# Altium PCB GridSeed_Rev03.PcbDoc (part 4 of 5)
Units mm, origin at the board's own origin, x right, y up, seen from the top; angles counter-clockwise.
Board outline 91 x 132.3 mm, 4 copper layers (L1, L2, L3, L4), stack 1.577 mm thick; 522 components, 141 nets, 2177 pads, 2361 vias.
Unrouted connection lines stored in the file: 44.
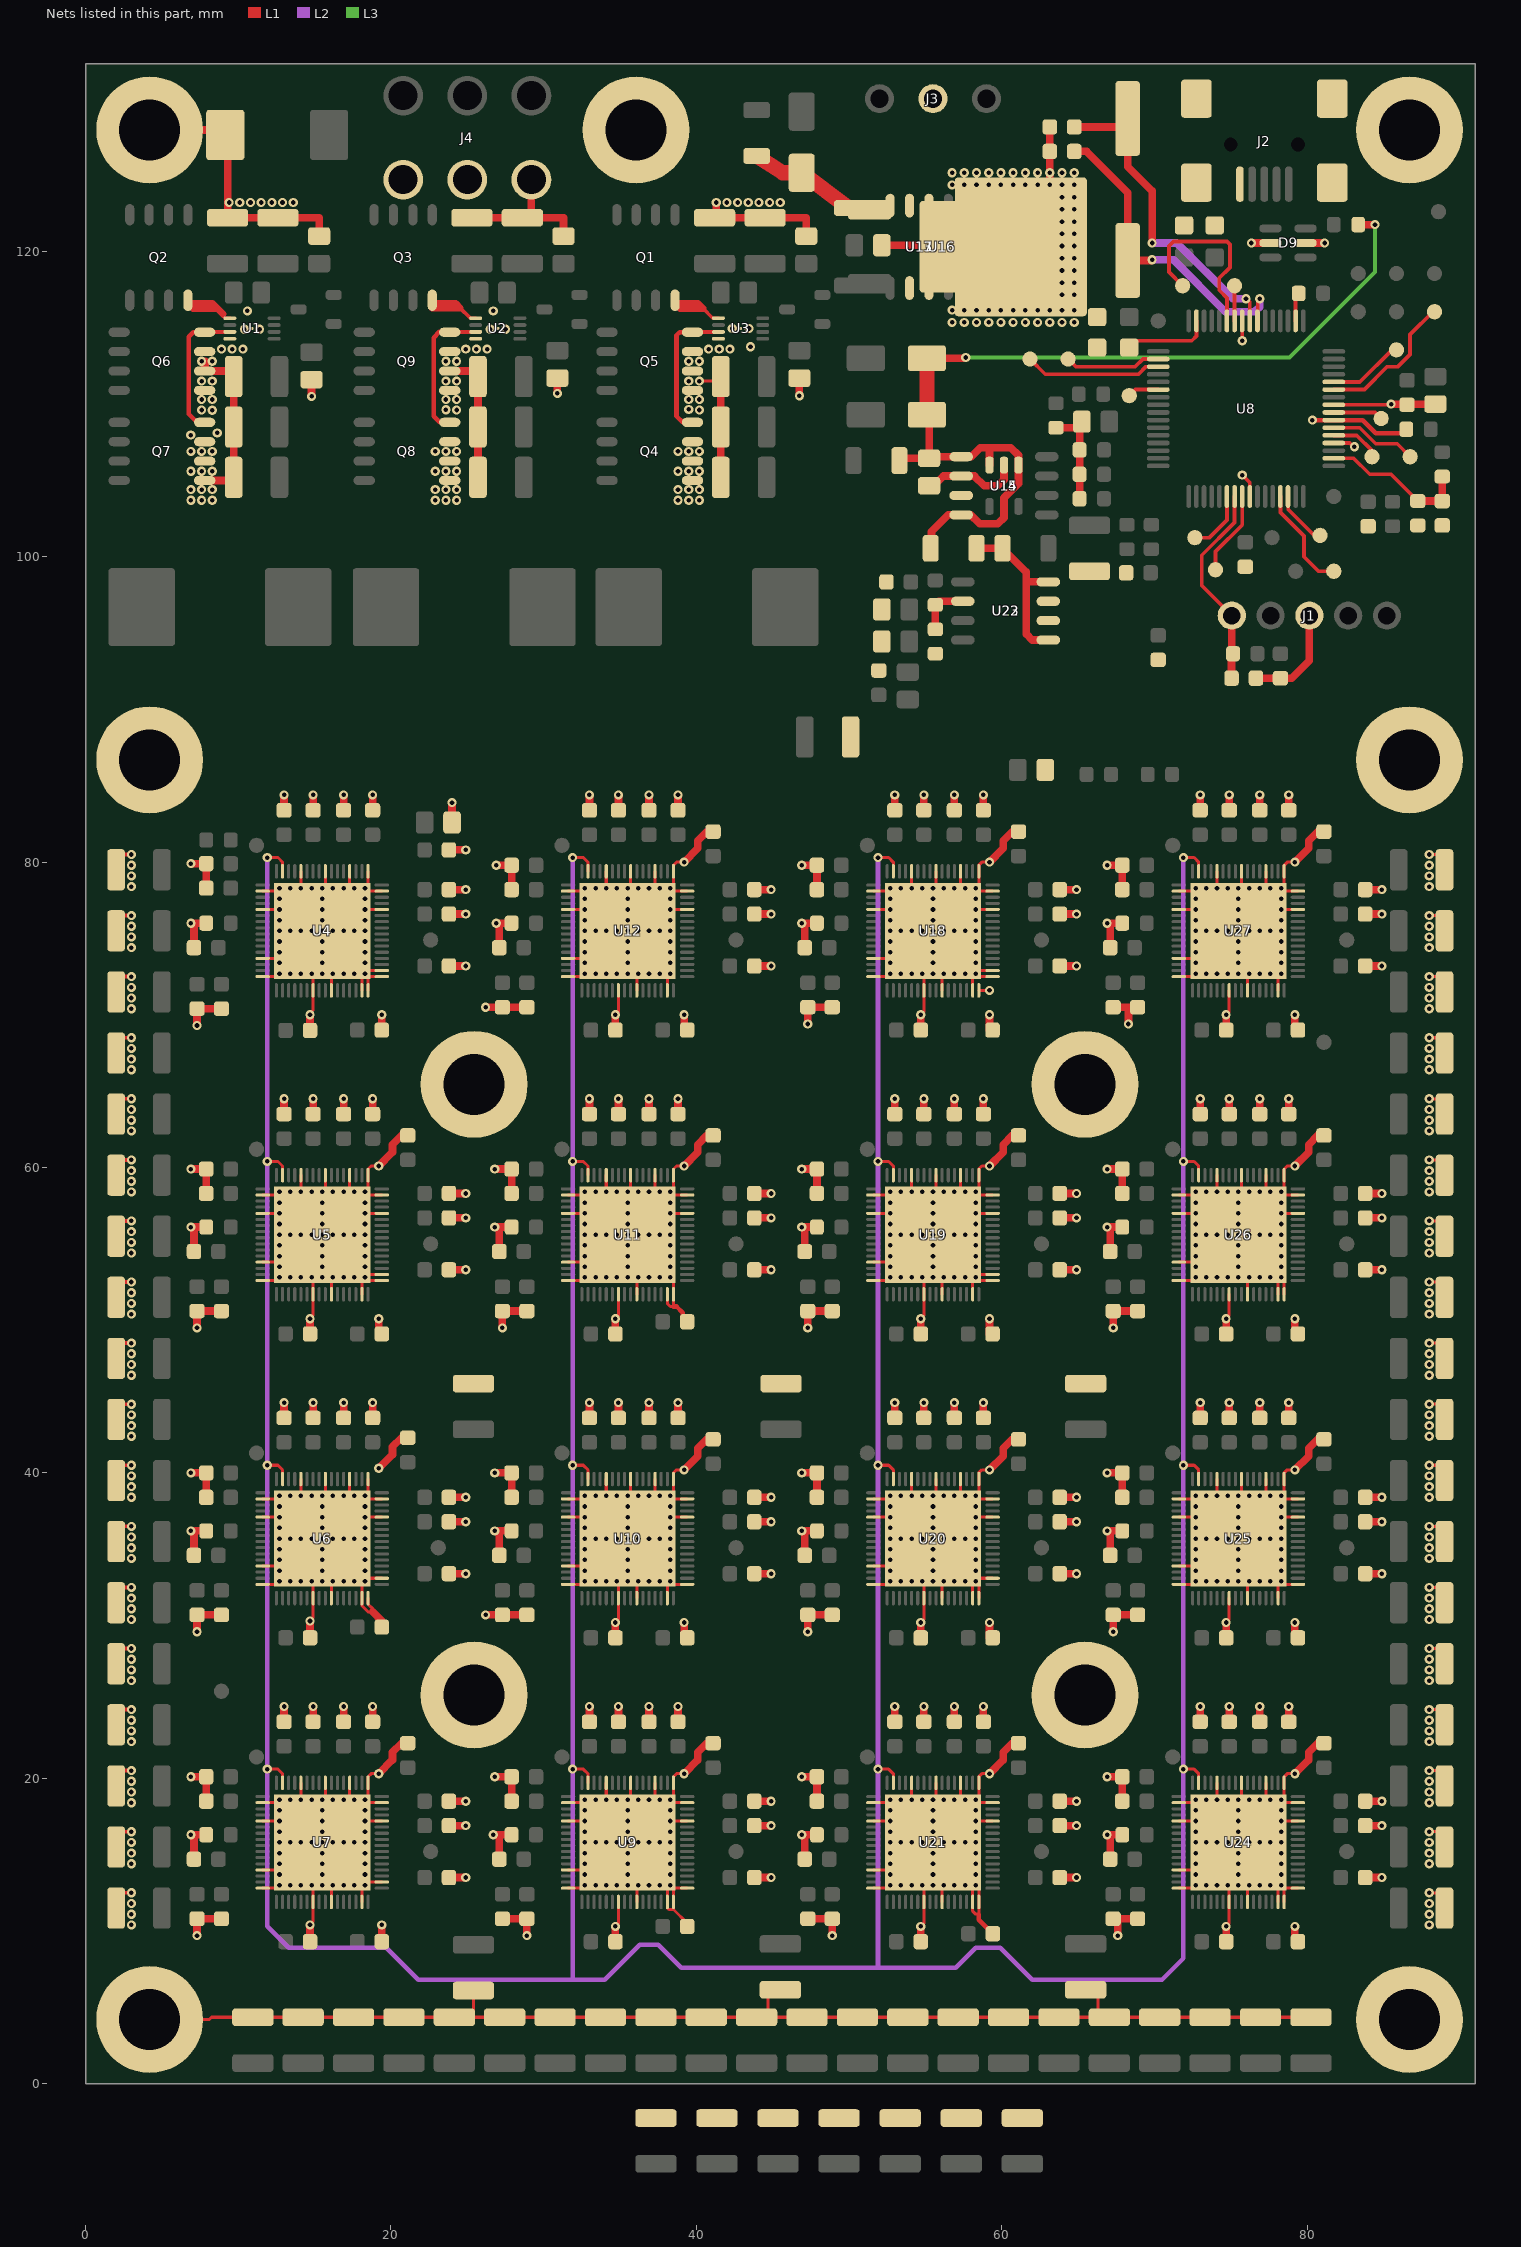
[diagram p6: the nets of this part, all layers, seen from the top]

## Via types
v1: diameter 0.6/0.6/0.6/0.6 (per signal layer), hole 0.3, L1 to L4, 2361 vias

## Nets (pads, with @x,y where several pads share a name; then routed paths per layer and width w, separated by ;. In a path a pad name is that pad's centre, name@x,y a point inside that pad or via, vN(x,y) a via of type N, cw(c..) or ccw(c..) an arc to the next point about the centre after c; other vN are vias at no path point) (continued)
GND: C1.1 C2.1 C3.1 C4.2 C5.2 C6.2 C10.1 C11.1 C12.1 C13.1 C14.1 C15.1 C16.1 C17.1 C18.1 C19.1 C20.2 C21.2 C22.1 C23.1 C24.1 C25.1 C26.1 C27.1 C28.1 C29.1 C30.1 C31.1 C32.1 C33.1 C34.1 C35.1 C36.1 C37.1 C38.1 C39.1 C40.1 C41.1 C42.1 C43.1 C44.1 C45.1 C46.1 C47.1 C48.1 C49.1 C50.1 C51.1 C52.1 C53.1 C54.1 C55.1 C56.1 C57.1 C58.1 C59.1 C60.1 C61.1 C62.1 C63.1 C64.1 C65.1 C66.1 C67.1 C68.1 C69.2 C70.1 C71.1 C72.1 C73.1 C74.1 C75.1 C76.1 C77.1 C78.1 C79.1 C80.1 C81.1 C82.1 C83.1 C84.1 C85.1 C118.1 C119.1 C120.1 C121.1 C122.1 C123.1 C124.1 C125.1 C126.1 C127.1 C128.1 C129.1 C130.1 C131.1 C132.1 C133.1 C134.1 C135.1 C136.1 C137.1 C138.2 C139.2 C140.1 C141.1 C142.1 C143.1 C144.1 C145.1 C146.1 C147.1 C148.1 C149.1 C150.1 C151.1 C152.1 C153.1 C154.1 C155.1 C156.1 C157.1 C158.1 C159.1 C160.1 C161.1 C162.1 C163.1 C166.2 C167.2 C168.2 C169.2 C170.2 C171.2 C172.2 C173.2 C174.2 C175.1 C176.1 C177.1 C178.1 C179.1 C180.1 C181.1 C182.1 C183.1 C184.1 C185.1 C186.1 C187.1 C188.1 C189.1 C190.1 C191.2 C224.1 C225.2 C226.2 C227.1 C228.1 C229.1 C230.1 C231.1 C232.1 C233.1 C234.1 C235.1 C236.1 C237.1 C238.1 C239.1 C240.1 C241.1 C242.1 C243.1 C244.1 C245.1 C246.1 C247.1 C248.1 C249.1 C250.1 C251.1 C252.1 C253.1 C254.1 C255.1 C256.1 C257.1 C258.1 C259.2 C260.2 C261.2 C262.1 C263.1 C264.1 C265.1 C266.1 C267.1 C268.1 C269.1 C270.1 C271.1 C272.1 C273.1 C274.2 C275.2 C276.1 C277.1 C278.1 C279.1 C280.1 C281.1 C282.1 C283.1 C284.1 C285.1 C286.1 C287.1 C288.1 C289.1 C290.1 C291.1 C324.1 C325.1 C326.1 C327.1 C328.1 C329.1 C330.1 C331.1 C332.1 C333.1 C334.1 C335.1 C336.1 C337.1 C338.1 C339.1 C340.1 C341.1 C342.1 C343.1 C344.1 C345.1 C346.1 C347.1 C348.1 C349.1 C350.1 C351.1 C352.1 C353.1 C354.1 C355.1 C356.1 C357.1 C358.1 C359.1 C360.1 C361.1 C362.1 C363.1 C364.1 C365.1 C366.1 C367.1 C368.1 C369.1 C370.1 C371.1 C372.1 C373.1 C374.1 C375.1 C376.1 C377.1 C378.1 C379.1 C380.1 C381.1 C382.1 C383.1 C_1.2 C_2.2 C_3.2 C_4.2 C_5.2 C_6.2 C_7.2 C_8.2 C_9.2 C_10.2 C_11.2 C_12.2 C_13.2 C_14.2 C_15.2 C_16.2 C_17.2 C_18.2 C_19.2 C_20.2 C_21.2 C_22.2 C_23.2 C_24.2 C_25.2 C_26.2 C_27.2 C_28.2 C_29.2 C_30.2 C_31.2 C_32.2 C_33.2 C_34.2 C_35.2 C_36.2 C_37.2 C_38.2 C_39.2 C_40.2 C_41.2 C_42.2 C_43.2 C_44.2 C_45.2 C_46.2 C_47.2 C_48.2 C_49.2 C_50.2 C_51.2 C_52.2 C_53.2 C_54.2 C_55.2 C_56.2 C_57.2 C_58.2 C_59.2 C_60.2 C_61.2 C_62.2 C_63.2 C_64.2 C_65.2 C_66.2 C_67.2 C_68.2 C_69.2 C_70.2 C_71.2 C_72.2 D4.1 D5.1 D6.1 D7.1 D9.2 D9.5 D12.2 J1.3 J2.5 J2.6 J2.7 J2.8 J2.9 J3.2 J4.4 J4.5 J4.6 J5.1 J6.1 J7.1 J8.1 J9.1 J10.1 J11.1 J12.1 J13.1 J14.1 J15.1 Q4.1 Q4.2 Q4.3 Q5.1 Q5.2 Q5.3 Q6.1 Q6.2 Q6.3 Q7.1 Q7.2 Q7.3 Q8.1 Q8.2 Q8.3 Q9.1 Q9.2 Q9.3 R1.1 R2.1 R3.1 R4.1 R17.2 R18.1 R19.1 R20.1 R21.2 R22.2 R24.2 R25.1 R30.2 R43.1 R44.1 R45.1 R46.1 R51.2 R55.2 R64.1 R65.1 R66.1 R67.1 U1.4 U1.9 U2.4 U2.9 U3.4 U3.9 U4.7 U4.10 U4.15 U4.16 U4.17 U4.18 U4.28 U4.31 U4.33 U4.36 U4.40 U4.44 U4.50 U4.53 U4.61 U4.64 U4.65 U5.7 U5.10 U5.15 U5.17 U5.18 U5.28 U5.31 U5.33 U5.36 U5.40 U5.44 U5.50 U5.53 U5.61 U5.64 U5.65 U6.7 U6.10 U6.15 U6.16 U6.18 U6.28 U6.31 U6.33 U6.36 U6.40 U6.44 U6.50 U6.53 U6.61 U6.64 U6.65 U7.7 U7.10 U7.15 U7.18 U7.28 U7.31 U7.33 U7.36 U7.40 U7.44 U7.50 U7.53 U7.61 U7.64 U7.65 U8.9 U8.20 U8.25 U8.41 U9.7 U9.10 U9.15 U9.16 U9.17 U9.28 U9.31 U9.33 U9.36 U9.40 U9.44 U9.50 U9.53 U9.61 U9.64 U9.65 U10.7 U10.10 U10.15 U10.17 U10.28 U10.31 U10.33 U10.36 U10.40 U10.44 U10.50 U10.53 U10.61 U10.64 U10.65 U11.7 U11.10 U11.15 U11.16 U11.28 U11.31 U11.33 U11.36 U11.40 U11.44 U11.50 U11.53 U11.61 U11.64 U11.65 U12.7 U12.10 U12.15 U12.28 U12.31 U12.33 U12.36 U12.40 U12.44 U12.50 U12.53 U12.61 U12.64 U12.65 U13.2 U13.3 U13.6 U13.7 U14.2 U15.6 U15.7 U16.4 U17.4 U18.7 U18.10 U18.15 U18.16 U18.17 U18.18 U18.28 U18.31 U18.33 U18.36 U18.40 U18.44 U18.50 U18.53 U18.61 U18.64 U18.65 U19.7 U19.10 U19.15 U19.17 U19.18 U19.28 U19.31 U19.33 U19.36 U19.40 U19.44 U19.50 U19.53 U19.61 U19.64 U19.65 U20.7 U20.10 U20.15 U20.16 U20.18 U20.28 U20.31 U20.33 U20.36 U20.40 U20.44 U20.50 U20.53 U20.61 U20.64 U20.65 U21.7 U21.10 U21.15 U21.16 U21.28 U21.31 U21.33 U21.36 U21.40 U21.44 U21.50 U21.53 U21.61 U21.64 U21.65 U22.6 U22.7 U23.6 U23.7 U24.7 U24.10 U24.15 U24.16 U24.17 U24.28 U24.31 U24.33 U24.36 U24.40 U24.44 U24.50 U24.53 U24.61 U24.64 U24.65 U25.7 U25.10 U25.15 U25.17 U25.28 U25.31 U25.33 U25.36 U25.40 U25.44 U25.50 U25.53 U25.61 U25.64 U25.65 U26.7 U26.10 U26.15 U26.16 U26.28 U26.31 U26.33 U26.36 U26.40 U26.44 U26.50 U26.53 U26.61 U26.64 U26.65 U27.7 U27.10 U27.15 U27.28 U27.31 U27.33 U27.36 U27.40 U27.44 U27.50 U27.53 U27.61 U27.64 U27.65 | length 1238.3
  L1 w0.2: J14.1@4.2,4.2 8.1,4.2 8.25,4.35 C_13.2@10.95,4.35 C_20.2@14.25,4.35 C_27.2@17.55,4.35 C_5.2@20.85,4.35 C_12.2@24.15,4.35 C_12.2@25.4,4.35 ; U7.64@11.6,12.8 14.1,12.8 U7.65@14.9,12.8 ; U7.61@11.6,14 U7.65@15.5,14 ; U7.53@11.6,17.2 v1(12.7,17.2) ; U7.50@11.6,18.4 U7.65@14.1,18.4 ; U6.64@11.6,32.7 12.7,32.7 v1(12.7,32.9) ; U6.61@11.6,33.9 U6.65@15.5,33.9 ; U6.53@11.6,37.1 v1(12.7,37.1) ; U6.50@11.6,38.3 13.4,38.3 U6.65@14.114,38.3 ; U5.64@11.6,52.6 13.4,52.6 U5.65@14.9,52.6 ; U5.61@11.6,53.8 U5.65@15.5,53.8 ; U5.53@11.6,57 v1(12.7,57) ; U5.50@11.6,58.2 U5.65@14.114,58.2 ; U4.64@11.6,72.5 14.1,72.5 U4.65@14.9,72.5 ; U4.61@11.6,73.7 U4.65@15.5,73.7 ; U4.53@11.6,76.9 v1(12.7,76.9) ; U4.50@11.6,78.1 U4.65@14.114,78.1 ; U7.44@14.1,19.7 v1(14.1,18.6) U7.65@14.1,18.4 ; U6.44@14.1,39.6 v1(14.1,38.5) 14.1,38.314 U6.65@14.114,38.3 ; U5.44@14.1,59.5 v1(14.1,58.4) 14.1,58.214 U5.65@14.114,58.2 ; U4.44@14.1,79.4 v1(14.1,78.3) 14.1,78.114 U4.65@14.114,78.1 ; v1(14.7,10.4) 14.9,10.6 U7.65@14.9,12.8 ; v1(14.7,30.3) 14.9,30.5 14.9,32.7 U6.65@15.5,32.7 ; v1(14.7,50.1) 14.9,50.3 U5.65@14.9,52.6 ; v1(14.7,70) 14.7,70.1 14.9,70.3 U4.65@14.9,72.5 ; v1(15.5,78.3) U4.65@15.5,78.1 ; U7.40@15.7,19.7 15.7,18.431 U7.65@15.731,18.4 ; U6.40@15.7,39.6 15.7,38.331 U6.65@15.731,38.3 ; U5.40@15.7,59.5 15.7,58.231 U5.65@15.731,58.2 ; U4.40@15.7,79.4 15.7,78.131 U4.65@15.731,78.1 ; U7.10@16.1,11.9 U7.65@16.1,12.8 ; U6.10@16.1,31.8 U6.65@16.1,32.7 ; U5.10@16.1,51.7 U5.65@16.1,52.6 ; U4.10@16.1,71.6 U4.65@16.1,72.5 ; U7.36@17.3,19.7 U7.65@17.3,18.4 ; U6.36@17.3,39.6 U6.65@17.3,38.3 ; U5.36@17.3,59.5 U5.65@17.3,58.2 ; U4.36@17.3,79.4 U4.65@17.3,78.1 ; U7.15@18.1,11.9 18.1,12.8 U7.65@16.1,12.8 ; U5.15@18.1,51.7 U5.65@18.1,52.6 ; U4.15@18.1,71.6 U4.65@18.1,72.5 ; v1(18.3,17.2) U7.28@19.4,17.2 ; v1(18.3,37.1) U6.28@19.4,37.1 ; v1(18.3,57) U5.28@19.4,57 ; v1(18.3,76.9) U4.28@19.4,76.9 ; U6.16@18.5,31.8 18.5,31.4 18.8,31.1 18.8,30.9 18.5,30.9 18.1,31.3 U6.15@18.1,31.8 18.1,32.7 U6.65@16.1,32.7 ; U6.33@18.5,39.6 U6.65@18.5,38.3 ; U4.16@18.5,71.6 U4.65@18.5,72.5 ; U4.33@18.5,79.4 U4.65@18.5,78.1 ; v1(19.2,20.3) 18.7,20.3 18.5,20.1 U7.33@18.5,19.7 U7.65@18.5,18.4 ; v1(19.2,60.1) 18.7,60.1 18.5,59.9 U5.33@18.5,59.5 U5.65@18.5,58.2 ; U7.18@19.4,13.2 17.6,13.2 U7.65@15.5,13.2 ; U7.31@19.4,18.4 U7.65@18.5,18.4 ; U6.18@19.4,33.1 17.6,33.1 U6.65@15.5,33.1 ; U6.31@19.4,38.3 U6.65@18.5,38.3 ; U5.17@19.4,52.6 U5.65@18.1,52.6 ; U5.18@19.4,53 18.3,53 U5.65@15.5,53 ; U5.31@19.4,58.2 U5.65@18.5,58.2 ; U4.17@19.4,72.5 U4.65@18.5,72.5 ; U4.18@19.4,72.9 18.3,72.9 16.9,72.9 U4.65@15.5,72.9 ; U4.31@19.4,78.1 U4.65@18.5,78.1 ; C_7.2@25.4,6.1 C_12.2@25.4,4.35 ; U9.64@31.6,12.8 34.8,12.8 U9.65@35.5,12.8 ; U9.61@31.6,14 U9.65@35.5,14 ; U9.53@31.6,17.2 v1(32.7,17.2) ; U9.50@31.6,18.4 34.8,18.4 U9.65@35.5,18.4 ; U10.64@31.6,32.7 34.1,32.7 U10.65@34.9,32.7 ; U10.61@31.6,33.9 U10.65@35.5,33.9 ; U10.53@31.6,37.1 v1(32.7,37.1) ; U10.50@31.6,38.3 U10.65@34.1,38.3 ; U11.64@31.6,52.6 33.4,52.6 34.8,52.6 U11.65@35.5,52.6 ; U11.61@31.6,53.8 U11.65@35.5,53.8 ; U11.53@31.6,57 v1(32.7,57) ; U11.50@31.6,58.2 U11.65@34.1,58.2 ; U12.64@31.6,72.5 34.8,72.5 U12.65@35.5,72.5 ; U12.61@31.6,73.7 U12.65@35.5,73.7 ; U12.53@31.6,76.9 v1(32.7,76.9) ; U12.50@31.6,78.1 34.1,78.1 35.5,78.1 v1(35.5,77.6) v1(35.5,76.9) v1(35.5,76.2) v1(35.5,75.5) v1(35.5,74.8) v1(35.5,74.1) U12.65@35.5,73.7 ; v1(34.1,18.6) U9.44@34.1,19.7 ; U10.44@34.1,39.6 v1(34.1,38.5) U10.65@34.1,38.3 ; U11.44@34.1,59.5 v1(34.1,58.4) U11.65@34.1,58.2 ; v1(34.1,78.3) U12.44@34.1,79.4 ; v1(34.7,10.3) 34.9,10.5 U9.7@34.9,11.9 ; v1(34.7,30.2) 34.9,30.4 U10.65@34.9,32.7 ; v1(34.7,50.1) 34.9,50.3 U11.7@34.9,51.7 ; v1(34.7,70) 34.9,70.2 U12.7@34.9,71.6 ; U9.40@35.7,19.7 35.7,18.431 U9.65@35.731,18.4 ; U10.40@35.7,39.6 35.7,38.331 U10.65@35.731,38.3 ; U11.40@35.7,59.5 35.7,58.231 35.731,58.2 U11.65@37.3,58.2 ; U12.40@35.7,79.4 35.7,78.131 35.731,78.1 36.9,78.1 U12.65@37.3,78.1 ; U9.10@36.1,11.9 U9.65@36.1,12.8 ; U10.10@36.1,31.8 U10.65@36.1,32.7 ; U11.10@36.1,51.7 36.1,52.6 U11.65@35.5,52.6 ; U12.10@36.1,71.6 36.1,72.5 U12.65@35.5,72.5 ; U9.36@37.3,19.7 U9.65@37.3,18.4 ; U10.36@37.3,39.6 U10.65@37.3,38.3 ; U11.36@37.3,59.5 U11.65@37.3,58.2 ; U12.36@37.3,79.4 U12.65@37.3,78.1 ; U10.15@38.1,31.8 U10.65@38.1,32.7 ; U11.15@38.1,51.7 38.1,51.1 38.3,50.9 38.5,50.9 U11.16@38.5,51.7 38.5,52.8 v1(38.3,52.8) v1(37.6,52.8) v1(36.9,52.8) v1(36.2,52.8) v1(35.5,52.8) ; U12.15@38.1,71.6 38.1,72.7 v1(38.3,72.7) ; v1(38.3,17.2) U9.28@39.4,17.2 ; v1(38.3,37.1) U10.28@39.4,37.1 ; v1(38.3,57) U11.28@39.4,57 ; v1(38.3,76.9) U12.28@39.4,76.9 ; C158.1@39.1,49.9 C158.1@39.4,49.9 ; v1(39.2,20.3) 38.7,20.3 38.5,20.1 U9.33@38.5,19.7 U9.65@38.5,18.4 ; v1(39.2,40.2) 38.7,40.2 38.5,40 U10.33@38.5,39.6 U10.65@38.5,38.3 ; v1(39.2,60.1) 38.7,60.1 38.5,59.9 U11.33@38.5,59.5 U11.65@38.5,58.2 ; v1(39.2,80) 38.7,80 38.5,79.8 U12.33@38.5,79.4 U12.65@38.5,78.1 ; C156.1@39.4,10.3 39.4,10.5 38.5,11.4 ; U9.17@39.4,12.8 U9.65@38.5,12.8 ; U9.31@39.4,18.4 U9.65@38.5,18.4 ; U10.17@39.4,32.7 U10.65@38.1,32.7 ; U10.31@39.4,38.3 U10.65@38.5,38.3 ; U11.31@39.4,58.2 U11.65@38.5,58.2 ; U12.31@39.4,78.1 U12.65@38.5,78.1 ; v1(40.2,111.5) C22.1@41.6,111.5 ; C_14.2@45.5,6.15 44.7,6.15 C_34.2@44.7,4.35 ; U21.64@51.6,12.8 54.8,12.8 U21.65@54.9,12.8 ; U21.61@51.6,14 U21.65@55.5,14 ; U21.53@51.6,17.2 v1(52.7,17.2) ; U21.50@51.6,18.4 54.1,18.4 U21.65@54.114,18.4 ; U20.64@51.6,32.7 54.1,32.7 U20.65@54.9,32.7 ; U20.61@51.6,33.9 U20.65@55.5,33.9 ; U20.53@51.6,37.1 v1(52.7,37.1) ; U20.50@51.6,38.3 U20.65@54.114,38.3 ; U19.64@51.6,52.6 54.1,52.6 U19.65@54.9,52.6 ; U19.61@51.6,53.8 U19.65@55.5,53.8 ; U19.53@51.6,57 v1(52.7,57) ; U19.50@51.6,58.2 U19.65@54.114,58.2 ; U18.64@51.6,72.5 54.1,72.5 U18.65@54.9,72.5 ; U18.61@51.6,73.7 U18.65@55.5,73.7 ; U18.53@51.6,76.9 v1(52.7,76.9) ; U18.50@51.6,78.1 U18.65@54.114,78.1 ; U21.44@54.1,19.7 v1(54.1,18.6) 54.1,18.414 U21.65@54.114,18.4 ; U20.44@54.1,39.6 v1(54.1,38.5) 54.1,38.314 U20.65@54.114,38.3 ; U19.44@54.1,59.5 v1(54.1,58.4) 54.1,58.214 U19.65@54.114,58.2 ; U18.44@54.1,79.4 v1(54.1,78.3) 54.1,78.114 U18.65@54.114,78.1 ; v1(54.7,10.3) 54.9,10.5 U21.7@54.9,11.9 U21.65@54.9,12.8 ; v1(54.7,30.2) 54.9,30.4 U20.7@54.9,31.8 U20.65@54.9,32.7 ; v1(54.7,50.1) 54.9,50.3 U19.7@54.9,51.7 U19.65@54.9,52.6 ; v1(54.7,70) 54.9,70.2 U18.7@54.9,71.6 U18.65@54.9,72.5 ; U21.40@55.7,19.7 55.7,18.431 U21.65@55.731,18.4 ; U20.40@55.7,39.6 55.7,38.331 U20.65@55.731,38.3 ; U19.40@55.7,59.5 55.7,58.231 U19.65@55.731,58.2 ; U18.40@55.7,79.4 55.7,78.131 U18.65@55.731,78.1 ; U21.10@56.1,11.9 U21.65@56.1,12.8 ; U20.10@56.1,31.8 U20.65@56.1,32.7 ; U19.10@56.1,51.7 U19.65@56.1,52.6 ; U18.10@56.1,71.6 U18.65@56.1,72.5 ; U21.36@57.3,19.7 U21.65@57.3,18.4 ; U20.36@57.3,39.6 U20.65@57.3,38.3 ; U19.36@57.3,59.5 U19.65@57.3,58.2 ; U18.36@57.3,79.4 U18.65@57.3,78.1 ; U20.15@58.1,31.8 U20.65@58.1,32.7 ; U19.15@58.1,51.7 U19.65@58.1,52.6 ; U18.15@58.1,71.6 U18.65@58.1,72.5 ; v1(58.3,17.2) U21.28@59.4,17.2 ; v1(58.3,37.1) U20.28@59.4,37.1 ; v1(58.3,57) U19.28@59.4,57 ; v1(58.3,76.9) U18.28@59.4,76.9 ; U20.16@58.5,31.8 58.5,32.7 U20.65@58.1,32.7 ; U18.16@58.5,71.6 v1(59.2,71.6) ; v1(59.2,20.3) 58.7,20.3 58.5,20.1 U21.65@58.5,18.4 ; v1(59.2,40.2) 58.7,40.2 58.5,40 U20.65@58.5,38.3 ; v1(59.2,60.1) 58.7,60.1 58.5,59.9 U19.65@58.5,58.2 ; v1(59.2,80) 58.7,80 58.5,79.8 U18.65@58.5,78.1 ; U21.31@59.4,18.4 U21.65@58.5,18.4 ; U20.18@59.4,33.1 U20.65@55.5,33.1 ; U20.31@59.4,38.3 U20.65@58.5,38.3 ; U19.17@59.4,52.6 U19.65@58.1,52.6 ; U19.18@59.4,53 U19.65@55.5,53 ; U19.31@59.4,58.2 U19.65@58.5,58.2 ; U18.17@59.4,72.5 U18.65@58.1,72.5 ; U18.18@59.4,72.9 U18.65@55.5,72.9 ; U18.31@59.4,78.1 U18.65@58.5,78.1 ; C_21.2@65.5,6.15 66.3,6.15 C_18.2@66.3,4.35 ; U24.64@71.6,12.8 73.4,12.8 74.8,12.8 U24.65@74.9,12.8 ; U24.61@71.6,14 U24.65@75.5,14 ; U24.53@71.6,17.2 v1(72.7,17.2) ; U24.50@71.6,18.4 U24.65@74.114,18.4 ; U25.64@71.6,32.7 U25.65@75.5,32.7 ; U25.61@71.6,33.9 U25.65@75.5,33.9 ; U25.53@71.6,37.1 v1(72.7,37.1) ; U25.50@71.6,38.3 U25.65@74.114,38.3 ; U26.64@71.6,52.6 73.4,52.6 U26.65@75.5,52.6 ; U26.61@71.6,53.8 U26.65@75.5,53.8 ; U26.53@71.6,57 v1(72.7,57) ; U26.50@71.6,58.2 U26.65@74.114,58.2 ; U27.64@71.6,72.5 74.1,72.5 U27.65@75.5,72.5 ; U27.61@71.6,73.7 U27.65@75.5,73.7 ; U27.53@71.6,76.9 v1(72.7,76.9) ; U27.50@71.6,78.1 U27.65@74.114,78.1 ; U24.44@74.1,19.7 v1(74.1,18.6) 74.1,18.414 U24.65@74.114,18.4 ; U25.44@74.1,39.6 v1(74.1,38.5) 74.1,38.314 U25.65@74.114,38.3 ; U26.44@74.1,59.5 v1(74.1,58.4) 74.1,58.214 U26.65@74.114,58.2 ; U27.44@74.1,79.4 v1(74.1,78.3) 74.1,78.114 U27.65@74.114,78.1 ; v1(74.7,10.3) 74.9,10.5 U24.7@74.9,11.9 U24.65@74.9,12.8 ; v1(74.7,30.2) 74.9,30.4 U25.7@74.9,31.8 ; v1(74.7,50.1) 74.9,50.3 U26.7@74.9,51.7 ; v1(74.7,70) 74.9,70.2 U27.7@74.9,71.6 ; U24.40@75.7,19.7 75.7,18.431 U24.65@75.731,18.4 ; U25.40@75.7,39.6 75.7,38.331 U25.65@75.731,38.3 ; U26.40@75.7,59.5 75.7,58.231 U26.65@75.731,58.2 ; U27.40@75.7,79.4 75.7,78.131 U27.65@75.731,78.1 ; U24.10@76.1,11.9 U24.65@76.1,12.8 ; U25.10@76.1,31.8 U25.65@76.1,32.7 ; U26.10@76.1,51.7 U26.65@76.1,52.6 ; U27.10@76.1,71.6 U27.65@76.1,72.5 ; U24.36@77.3,19.7 U24.65@77.3,18.4 ; U25.36@77.3,39.6 U25.65@77.3,38.3 ; U26.36@77.3,59.5 U26.65@77.3,58.2 ; U27.36@77.3,79.4 U27.65@77.3,78.1 ; U24.15@78.1,11.9 U24.65@78.1,12.8 ; U25.15@78.1,31.8 U25.65@78.1,32.7 ; U26.15@78.1,51.7 U26.65@78.1,52.6 ; U27.15@78.1,71.6 78.1,72.5 77.6,72.5 U27.65@76.1,72.5 ; v1(78.3,17.2) U24.28@79.4,17.2 ; v1(78.3,37.1) U25.28@79.4,37.1 ; v1(78.3,57) U26.28@79.4,57 ; v1(78.3,76.9) U27.28@79.4,76.9 ; U24.16@78.5,11.9 U24.65@78.5,12.8 ; U26.16@78.5,51.7 78.5,52.6 U26.65@78.1,52.6 ; v1(79.2,20.3) 78.7,20.3 78.5,20.1 U24.33@78.5,19.7 U24.65@78.5,18.4 ; v1(79.2,40.2) 78.7,40.2 78.5,40 U25.33@78.5,39.6 U25.65@78.5,38.3 ; v1(79.2,60.1) 78.7,60.1 78.5,59.9 U26.33@78.5,59.5 U26.65@78.5,58.2 ; v1(79.2,80) 78.7,80 78.5,79.8 U27.33@78.5,79.4 U27.65@78.5,78.1 ; U24.17@79.4,12.8 U24.65@78.5,12.8 ; U24.31@79.4,18.4 U24.65@78.5,18.4 ; U25.17@79.4,32.7 U25.65@78.1,32.7 ; U25.31@79.4,38.3 U25.65@78.5,38.3 ; U26.31@79.4,58.2 U26.65@78.5,58.2 ; U27.31@79.4,78.1 U27.65@78.5,78.1 ; C_24.2@80.25,4.35 C_54.2@76.95,4.35 C_47.2@73.65,4.35 C_25.2@70.35,4.35 C_18.2@67.05,4.35 C_18.2@66.3,4.35 ; v1(88,12.5) 89,12.5 C_42.2@89,11.5 ; v1(88,16.5) 89,16.5 C_49.2@89,15.5 ; v1(88,20.5) 89,20.5 C_55.2@89,19.5 ; v1(88,24.5) 89,24.5 C_56.2@89,23.5 ; v1(88,28.5) 89,28.5 C_63.2@89,27.5 ; v1(88,32.5) 89,32.5 C_62.2@89,31.5 ; v1(88,36.5) 89,36.5 C_61.2@89,35.5 ; v1(88,40.5) 89,40.5 C_60.2@89,39.5 ; v1(88,44.5) 89,44.5 C_59.2@89,43.5 ; v1(88,48.5) 89,48.5 C_66.2@89,47.5 ; v1(88,52.5) 89,52.5 C_67.2@89,51.5 ; v1(88,56.5) 89,56.5 C_68.2@89,55.5 ; v1(88,60.5) 89,60.5 C_69.2@89,59.5 ; v1(88,64.5) 89,64.5 C_70.2@89,63.5 ; v1(88,68.5) 89,68.5 C_71.2@89,67.5 ; v1(88,72.5) 89,72.5 C_64.2@89,71.5 ; v1(88,76.5) 89,76.5 C_57.2@89,75.5 ; v1(88,80.5) 89,80.5 C_50.2@89,79.5 ; U7.65@14.1,18.4 U7.65@15.5,18.4 ; U6.65@14.114,38.3 U6.65@15.5,38.3 ; U5.65@14.114,58.2 U5.65@15.5,58.2 ; U4.65@14.114,78.1 U4.65@15.5,78.1 ; U7.65@14.9,12.8 U7.65@15.5,12.8 ; U5.65@14.9,52.6 U5.65@15.5,52.6 ; U4.65@14.9,72.5 U4.65@15.5,72.5 ; U7.65@15.5,12.8 U7.65@16.1,12.8 ; U7.65@15.5,12.8 v1(15.5,13) U7.65@15.5,13.2 ; U7.65@15.5,13.2 v1(15.5,13.7) U7.65@15.5,14 ; U7.65@15.5,14 v1(15.5,14.4) v1(15.5,15.1) v1(15.5,15.8) v1(15.5,16.5) v1(15.5,17.2) v1(15.5,17.9) U7.65@15.5,18.4 ; U7.65@15.5,18.4 U7.65@15.731,18.4 ; U6.65@15.5,32.7 U6.65@16.1,32.7 ; U6.65@15.5,32.7 v1(15.5,32.9) U6.65@15.5,33.1 ; U6.65@15.5,33.1 v1(15.5,33.6) U6.65@15.5,33.9 ; U6.65@15.5,33.9 v1(15.5,34.3) v1(15.5,35) v1(15.5,35.7) v1(15.5,36.4) v1(15.5,37.1) v1(15.5,37.8) U6.65@15.5,38.3 ; U6.65@15.5,38.3 U6.65@15.731,38.3 ; U5.65@15.5,52.6 U5.65@16.1,52.6 ; U5.65@15.5,52.6 v1(15.5,52.8) U5.65@15.5,53 ; U5.65@15.5,53 v1(15.5,53.5) U5.65@15.5,53.8 ; U5.65@15.5,53.8 v1(15.5,54.2) v1(15.5,54.9) v1(15.5,55.6) v1(15.5,56.3) v1(15.5,57) v1(15.5,57.7) U5.65@15.5,58.2 ; U5.65@15.5,58.2 U5.65@15.731,58.2 ; U4.65@15.5,72.5 U4.65@16.1,72.5 ; U4.65@15.5,72.5 v1(15.5,72.7) U4.65@15.5,72.9 ; U4.65@15.5,72.9 v1(15.5,73.4) U4.65@15.5,73.7 ; U4.65@15.5,73.7 v1(15.5,74.1) v1(15.5,74.8) v1(15.5,75.5) v1(15.5,76.2) v1(15.5,76.9) v1(15.5,77.6) U4.65@15.5,78.1 ; U4.65@15.5,78.1 U4.65@15.731,78.1 ; U7.65@15.731,18.4 U7.65@17.3,18.4 ; U6.65@15.731,38.3 U6.65@17.3,38.3 ; U5.65@15.731,58.2 U5.65@17.3,58.2 ; U4.65@15.731,78.1 16.2,78.1 U4.65@17.3,78.1 ; U5.65@16.1,52.6 U5.65@18.1,52.6 ; U4.65@16.1,72.5 17.6,72.5 U4.65@18.1,72.5 ; U7.65@17.3,18.4 U7.65@18.5,18.4 ; U6.65@17.3,38.3 U6.65@18.5,38.3 ; U5.65@17.3,58.2 U5.65@18.5,58.2 ; U4.65@17.3,78.1 U4.65@18.5,78.1 ; U4.65@18.1,72.5 U4.65@18.5,72.5 ; C_12.2@25.4,4.35 C_4.2@27.45,4.35 C_11.2@30.75,4.35 C_3.2@34.05,4.35 C_19.2@37.35,4.35 C_26.2@40.65,4.35 C_34.2@43.95,4.35 C_34.2@44.7,4.35 ; U10.65@34.1,38.3 U10.65@35.5,38.3 ; U11.65@34.1,58.2 35.5,58.2 v1(35.5,57.7) v1(35.5,57) v1(35.5,56.3) v1(35.5,55.6) v1(35.5,54.9) v1(35.5,54.2) U11.65@35.5,53.8 ; U10.65@34.9,32.7 U10.65@35.5,32.7 ; U9.65@35.5,12.8 U9.65@36.1,12.8 ; U9.65@35.5,12.8 v1(35.5,13) v1(35.5,13.7) U9.65@35.5,14 ; U9.65@35.5,14 v1(35.5,14.4) v1(35.5,15.1) v1(35.5,15.8) v1(35.5,16.5) v1(35.5,17.2) v1(35.5,17.9) U9.65@35.5,18.4 ; U9.65@35.5,18.4 U9.65@35.731,18.4 ; U10.65@35.5,32.7 U10.65@36.1,32.7 ; U10.65@35.5,32.7 v1(35.5,32.9) v1(35.5,33.6) U10.65@35.5,33.9 ; U10.65@35.5,33.9 v1(35.5,34.3) v1(35.5,35) v1(35.5,35.7) v1(35.5,36.4) v1(35.5,37.1) v1(35.5,37.8) U10.65@35.5,38.3 ; U10.65@35.5,38.3 U10.65@35.731,38.3 ; U11.65@35.5,52.6 v1(35.5,52.8) ; v1(35.5,52.8) v1(35.5,53.5) U11.65@35.5,53.8 ; U12.65@35.5,72.5 v1(35.5,72.7) v1(35.5,73.4) U12.65@35.5,73.7 ; U9.65@35.731,18.4 U9.65@37.3,18.4 ; U10.65@35.731,38.3 U10.65@37.3,38.3 ; U9.65@36.1,12.8 37.6,12.8 U9.65@38.1,12.8 ; U10.65@36.1,32.7 U10.65@38.1,32.7 ; U9.65@37.3,18.4 U9.65@38.5,18.4 ; U10.65@37.3,38.3 38.3,38.3 U10.65@38.5,38.3 ; U11.65@37.3,58.2 U11.65@38.5,58.2 ; U12.65@37.3,78.1 U12.65@38.5,78.1 ; U9.65@38.1,12.8 U9.65@38.5,12.8 ; U9.65@38.1,12.8 U9.15@38.1,11.9 38.1,11.5 38.2,11.4 38.5,11.4 ; 38.5,11.4 U9.16@38.5,11.9 U9.65@38.5,12.8 ; C_34.2@44.7,4.35 C_41.2@47.25,4.35 C_53.2@50.55,4.35 C_33.2@53.85,4.35 C_10.2@57.15,4.35 C_17.2@60.45,4.35 C_40.2@63.75,4.35 C_18.2@66.3,4.35 ; U21.65@54.114,18.4 U21.65@55.5,18.4 ; U20.65@54.114,38.3 U20.65@55.5,38.3 ; U19.65@54.114,58.2 U19.65@55.5,58.2 ; U18.65@54.114,78.1 U18.65@55.5,78.1 ; U21.65@54.9,12.8 U21.65@55.5,12.8 ; U20.65@54.9,32.7 U20.65@55.5,32.7 ; U19.65@54.9,52.6 U19.65@55.5,52.6 ; U18.65@54.9,72.5 U18.65@55.5,72.5 ; U21.65@55.5,12.8 U21.65@56.1,12.8 ; U21.65@55.5,12.8 v1(55.5,13) v1(55.5,13.7) U21.65@55.5,14 ; U21.65@55.5,14 v1(55.5,14.4) v1(55.5,15.1) v1(55.5,15.8) v1(55.5,16.5) v1(55.5,17.2) v1(55.5,17.9) U21.65@55.5,18.4 ; U21.65@55.5,18.4 U21.65@55.731,18.4 ; U20.65@55.5,32.7 U20.65@56.1,32.7 ; U20.65@55.5,32.7 v1(55.5,32.9) U20.65@55.5,33.1 ; U20.65@55.5,33.1 v1(55.5,33.6) U20.65@55.5,33.9 ; U20.65@55.5,33.9 v1(55.5,34.3) v1(55.5,35) v1(55.5,35.7) v1(55.5,36.4) v1(55.5,37.1) v1(55.5,37.8) U20.65@55.5,38.3 ; U20.65@55.5,38.3 U20.65@55.731,38.3 ; U19.65@55.5,52.6 U19.65@56.1,52.6 ; U19.65@55.5,52.6 v1(55.5,52.8) U19.65@55.5,53 ; U19.65@55.5,53 v1(55.5,53.5) U19.65@55.5,53.8 ; U19.65@55.5,53.8 v1(55.5,54.2) v1(55.5,54.9) v1(55.5,55.6) v1(55.5,56.3) v1(55.5,57) v1(55.5,57.7) U19.65@55.5,58.2 ; U19.65@55.5,58.2 U19.65@55.731,58.2 ; U18.65@55.5,72.5 U18.65@56.1,72.5 ; U18.65@55.5,72.5 v1(55.5,72.7) U18.65@55.5,72.9 ; U18.65@55.5,72.9 v1(55.5,73.4) U18.65@55.5,73.7 ; U18.65@55.5,73.7 v1(55.5,74.1) v1(55.5,74.8) v1(55.5,75.5) v1(55.5,76.2) v1(55.5,76.9) v1(55.5,77.6) U18.65@55.5,78.1 ; U18.65@55.5,78.1 U18.65@55.731,78.1 ; U21.65@55.731,18.4 U21.65@57.3,18.4 ; U20.65@55.731,38.3 56.9,38.3 U20.65@57.3,38.3 ; U19.65@55.731,58.2 U19.65@57.3,58.2 ; U18.65@55.731,78.1 56.9,78.1 U18.65@57.3,78.1 ; U21.65@56.1,12.8 57.6,12.8 U21.65@58.1,12.8 ; U20.65@56.1,32.7 56.9,32.7 U20.65@58.1,32.7 ; U19.65@56.1,52.6 U19.65@58.1,52.6 ; U18.65@56.1,72.5 56.9,72.5 U18.65@58.1,72.5 ; U21.65@57.3,18.4 U21.65@58.5,18.4 ; U20.65@57.3,38.3 58.3,38.3 U20.65@58.5,38.3 ; U19.65@57.3,58.2 U19.65@58.5,58.2 ; U18.65@57.3,78.1 U18.65@58.5,78.1 ; U21.65@58.1,12.8 58.5,12.8 58.5,11.1 58.3,11.1 58.1,11.3 U21.15@58.1,11.9 U21.65@58.1,12.8 ; U24.65@74.114,18.4 U24.65@75.5,18.4 ; U25.65@74.114,38.3 U25.65@75.5,38.3 ; U26.65@74.114,58.2 U26.65@75.5,58.2 ; U27.65@74.114,78.1 U27.65@75.5,78.1 ; U24.65@74.9,12.8 U24.65@75.5,12.8 ; U24.65@75.5,12.8 U24.65@76.1,12.8 ; U24.65@75.5,12.8 v1(75.5,13) v1(75.5,13.7) U24.65@75.5,14 ; U24.65@75.5,14 v1(75.5,14.4) v1(75.5,15.1) v1(75.5,15.8) v1(75.5,16.5) v1(75.5,17.2) v1(75.5,17.9) U24.65@75.5,18.4 ; U24.65@75.5,18.4 U24.65@75.731,18.4 ; U25.65@75.5,32.7 U25.65@76.1,32.7 ; U25.65@75.5,32.7 v1(75.5,32.9) v1(75.5,33.6) U25.65@75.5,33.9 ; U25.65@75.5,33.9 v1(75.5,34.3) v1(75.5,35) v1(75.5,35.7) v1(75.5,36.4) v1(75.5,37.1) v1(75.5,37.8) U25.65@75.5,38.3 ; U25.65@75.5,38.3 U25.65@75.731,38.3 ; U26.65@75.5,52.6 U26.65@76.1,52.6 ; U26.65@75.5,52.6 v1(75.5,52.8) v1(75.5,53.5) U26.65@75.5,53.8 ; U26.65@75.5,53.8 v1(75.5,54.2) v1(75.5,54.9) v1(75.5,55.6) v1(75.5,56.3) v1(75.5,57) v1(75.5,57.7) U26.65@75.5,58.2 ; U26.65@75.5,58.2 U26.65@75.731,58.2 ; U27.65@75.5,72.5 U27.65@76.1,72.5 ; U27.65@75.5,72.5 v1(75.5,72.7) v1(75.5,73.4) U27.65@75.5,73.7 ; U27.65@75.5,73.7 v1(75.5,74.1) v1(75.5,74.8) v1(75.5,75.5) v1(75.5,76.2) v1(75.5,76.9) v1(75.5,77.6) U27.65@75.5,78.1 ; U27.65@75.5,78.1 U27.65@75.731,78.1 ; U24.65@75.731,18.4 76.9,18.4 U24.65@77.3,18.4 ; U25.65@75.731,38.3 U25.65@77.3,38.3 ; U26.65@75.731,58.2 U26.65@77.3,58.2 ; U27.65@75.731,78.1 U27.65@77.3,78.1 ; U24.65@76.1,12.8 76.9,12.8 U24.65@78.1,12.8 ; U25.65@76.1,32.7 76.9,32.7 U25.65@78.1,32.7 ; U26.65@76.1,52.6 U26.65@78.1,52.6 ; U24.65@77.3,18.4 U24.65@78.5,18.4 ; U25.65@77.3,38.3 U25.65@78.5,38.3 ; U26.65@77.3,58.2 U26.65@78.5,58.2 ; U27.65@77.3,78.1 U27.65@78.5,78.1 ; U24.65@78.1,12.8 U24.65@78.5,12.8